# KiCad board panelized.kicad_pcb
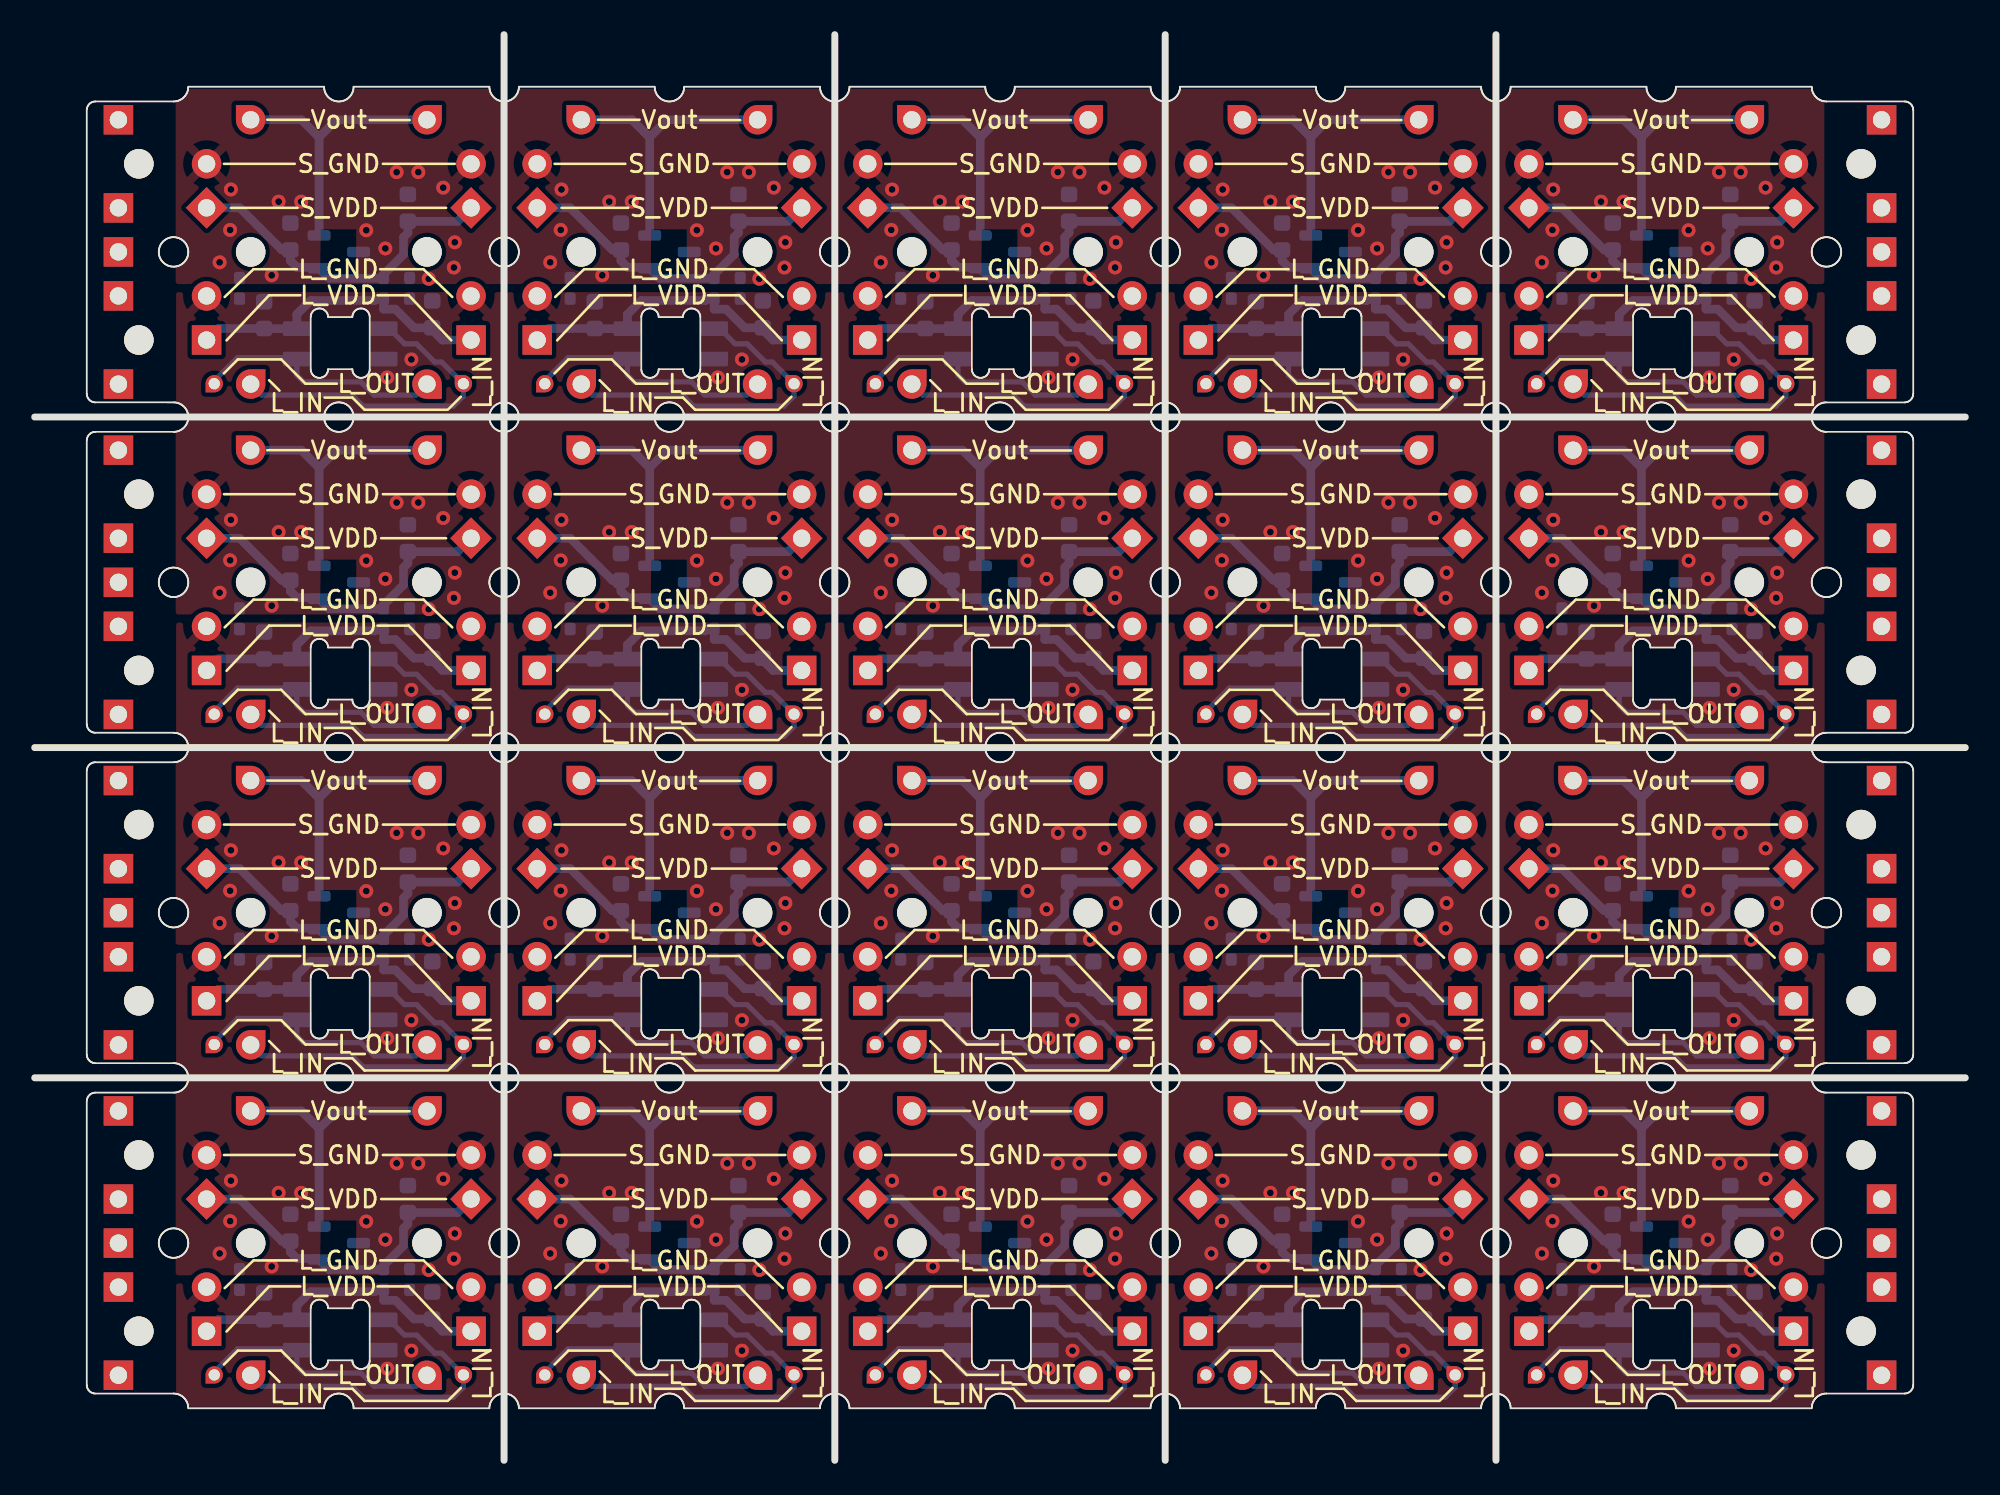
[diagram p0: board, top side]
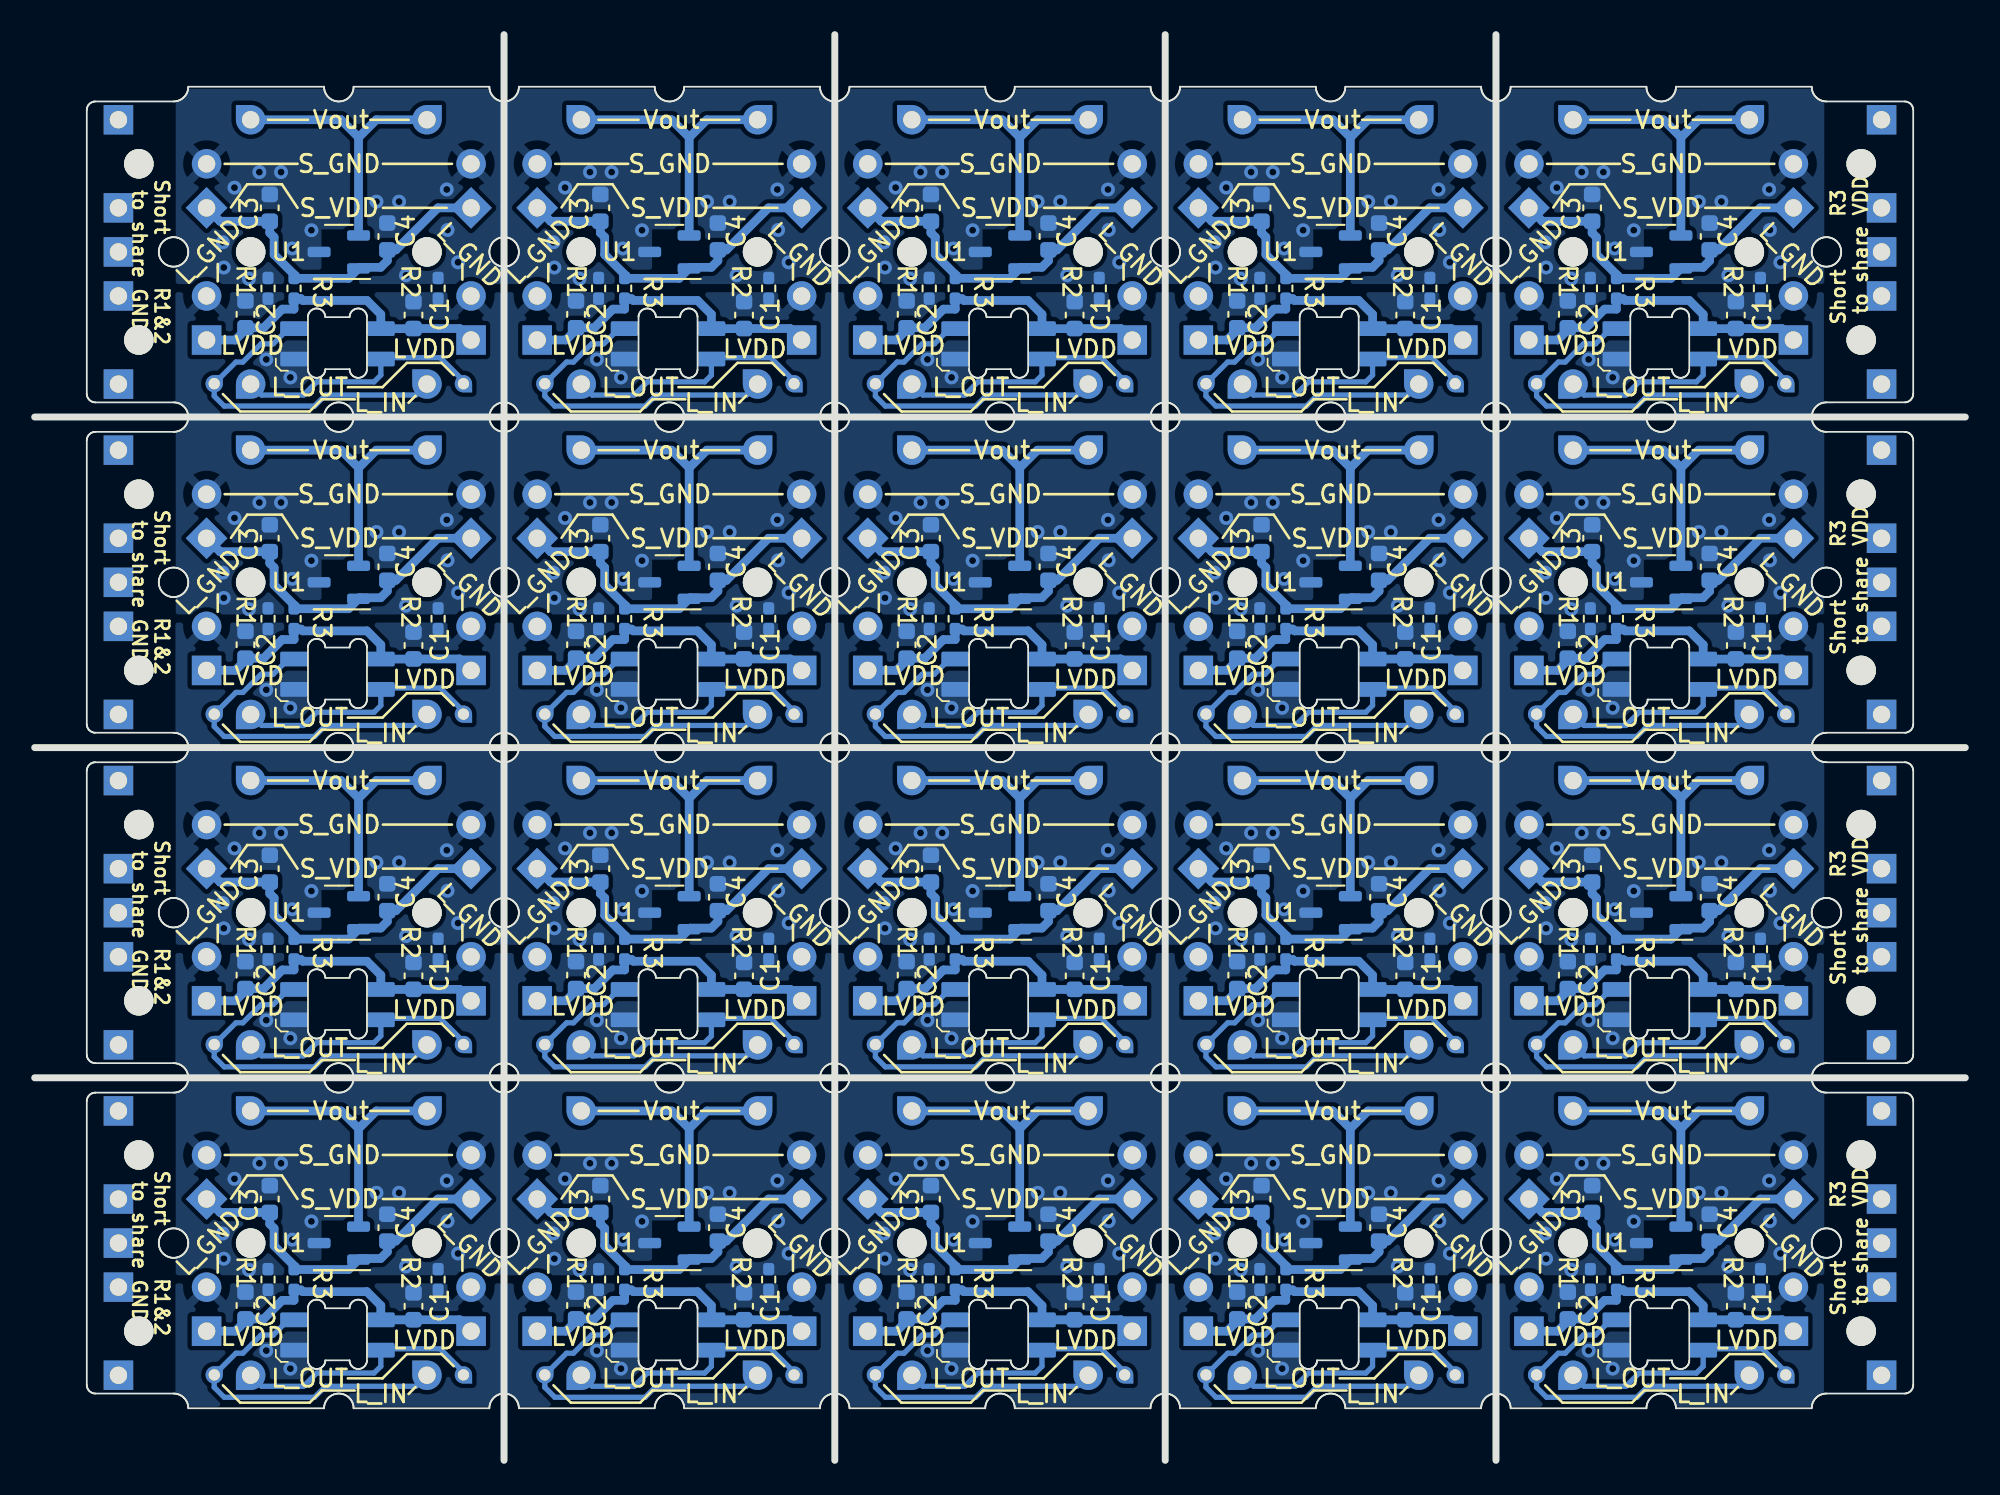
[diagram p1: board, bottom side, seen from below]

Outline 111.25 x 82.2 mm; copper layers: Top, Bottom. Coordinates in mm from the lower left corner of the outline.
Stack: Top 0.035mm / dielectric 1.51mm FR4 er 4.5 / Bottom 0.035mm

## Placement (name value [footprint] x y rotation side)
C1  100n  [C_0603_1608Metric]  51.32 27.93 270 bottom
C1#2  100n  [C_0603_1608Metric]  89.42 8.88 270 bottom
C1#3  100n  [C_0603_1608Metric]  70.37 66.03 270 bottom
C1#4  100n  [C_0603_1608Metric]  13.22 8.88 270 bottom
C1#5  100n  [C_0603_1608Metric]  70.37 8.88 270 bottom
C1#6  100n  [C_0603_1608Metric]  13.22 46.98 270 bottom
C1#7  100n  [C_0603_1608Metric]  51.32 66.03 270 bottom
C1#8  100n  [C_0603_1608Metric]  13.22 66.03 270 bottom
C1#9  100n  [C_0603_1608Metric]  32.27 66.03 270 bottom
C1#10  100n  [C_0603_1608Metric]  70.37 46.98 270 bottom
C1#11  100n  [C_0603_1608Metric]  70.37 27.93 270 bottom
C1#12  100n  [C_0603_1608Metric]  32.27 46.98 270 bottom
C1#13  100n  [C_0603_1608Metric]  32.27 27.93 270 bottom
C1#14  100n  [C_0603_1608Metric]  89.42 66.03 270 bottom
C1#15  100n  [C_0603_1608Metric]  13.22 27.93 270 bottom
C1#16  100n  [C_0603_1608Metric]  89.42 27.93 270 bottom
C1#17  100n  [C_0603_1608Metric]  51.32 46.98 270 bottom
C1#18  100n  [C_0603_1608Metric]  32.27 8.88 270 bottom
C1#19  100n  [C_0603_1608Metric]  51.32 8.88 270 bottom
C1#20  100n  [C_0603_1608Metric]  89.42 46.98 270 bottom
C2  10u  [C_0603_1608Metric]  41.96 27.98 270 bottom
C2#2  10u  [C_0603_1608Metric]  80.06 66.08 270 bottom
C2#3  10u  [C_0603_1608Metric]  80.06 47.03 270 bottom
C2#4  10u  [C_0603_1608Metric]  99.1 47.03 270 bottom
C2#5  10u  [C_0603_1608Metric]  41.96 66.08 270 bottom
C2#6  10u  [C_0603_1608Metric]  61 47.03 270 bottom
C2#7  10u  [C_0603_1608Metric]  99.1 66.08 270 bottom
C2#8  10u  [C_0603_1608Metric]  99.1 27.98 270 bottom
C2#9  10u  [C_0603_1608Metric]  61 66.08 270 bottom
C2#10  10u  [C_0603_1608Metric]  80.06 8.92 270 bottom
C2#11  10u  [C_0603_1608Metric]  41.96 47.03 270 bottom
C2#12  10u  [C_0603_1608Metric]  61 8.92 270 bottom
C2#13  10u  [C_0603_1608Metric]  61 27.98 270 bottom
C2#14  10u  [C_0603_1608Metric]  22.91 47.03 270 bottom
C2#15  10u  [C_0603_1608Metric]  22.91 66.08 270 bottom
C2#16  10u  [C_0603_1608Metric]  99.1 8.92 270 bottom
C2#17  10u  [C_0603_1608Metric]  22.91 8.92 270 bottom
C2#18  10u  [C_0603_1608Metric]  41.96 8.92 270 bottom
C2#19  10u  [C_0603_1608Metric]  80.06 27.98 270 bottom
C2#20  10u  [C_0603_1608Metric]  22.91 27.98 270 bottom
C3  10u  [C_0603_1608Metric]  97.71 53.17 270 bottom
C3#2  10u  [C_0603_1608Metric]  97.71 34.12 270 bottom
C3#3  10u  [C_0603_1608Metric]  78.66 15.06 270 bottom
C3#4  10u  [C_0603_1608Metric]  40.56 15.06 270 bottom
C3#5  10u  [C_0603_1608Metric]  78.66 34.12 270 bottom
C3#6  10u  [C_0603_1608Metric]  21.5 34.12 270 bottom
C3#7  10u  [C_0603_1608Metric]  21.5 15.06 270 bottom
C3#8  10u  [C_0603_1608Metric]  40.56 53.17 270 bottom
C3#9  10u  [C_0603_1608Metric]  40.56 34.12 270 bottom
C3#10  10u  [C_0603_1608Metric]  59.6 72.22 270 bottom
C3#11  10u  [C_0603_1608Metric]  59.6 34.12 270 bottom
C3#12  10u  [C_0603_1608Metric]  21.5 53.17 270 bottom
C3#13  10u  [C_0603_1608Metric]  59.6 53.17 270 bottom
C3#14  10u  [C_0603_1608Metric]  21.5 72.22 270 bottom
C3#15  10u  [C_0603_1608Metric]  97.71 15.06 270 bottom
C3#16  10u  [C_0603_1608Metric]  97.71 72.22 270 bottom
C3#17  10u  [C_0603_1608Metric]  59.6 15.06 270 bottom
C3#18  10u  [C_0603_1608Metric]  78.66 53.17 270 bottom
C3#19  10u  [C_0603_1608Metric]  40.56 72.22 270 bottom
C3#20  10u  [C_0603_1608Metric]  78.66 72.22 270 bottom
C4  100n  [C_0603_1608Metric]  33.78 70.56 270 bottom
C4#2  100n  [C_0603_1608Metric]  90.93 51.51 270 bottom
C4#3  100n  [C_0603_1608Metric]  52.83 32.46 270 bottom
C4#4  100n  [C_0603_1608Metric]  71.88 51.51 270 bottom
C4#5  100n  [C_0603_1608Metric]  90.93 13.41 270 bottom
C4#6  100n  [C_0603_1608Metric]  52.83 70.56 270 bottom
C4#7  100n  [C_0603_1608Metric]  14.73 51.51 270 bottom
C4#8  100n  [C_0603_1608Metric]  71.88 70.56 270 bottom
C4#9  100n  [C_0603_1608Metric]  33.78 32.46 270 bottom
C4#10  100n  [C_0603_1608Metric]  71.88 32.46 270 bottom
C4#11  100n  [C_0603_1608Metric]  52.83 13.41 270 bottom
C4#12  100n  [C_0603_1608Metric]  14.73 32.46 270 bottom
C4#13  100n  [C_0603_1608Metric]  90.93 70.56 270 bottom
C4#14  100n  [C_0603_1608Metric]  14.73 70.56 270 bottom
C4#15  100n  [C_0603_1608Metric]  52.83 51.51 270 bottom
C4#16  100n  [C_0603_1608Metric]  14.73 13.41 270 bottom
C4#17  100n  [C_0603_1608Metric]  90.93 32.46 270 bottom
C4#18  100n  [C_0603_1608Metric]  33.78 51.51 270 bottom
C4#19  100n  [C_0603_1608Metric]  71.88 13.41 270 bottom
C4#20  100n  [C_0603_1608Metric]  33.78 13.41 270 bottom
D1  SK6812MINI-E  [SK6812_mini_e_flipable]  17.61 26.28 0 bottom
D1#2  SK6812MINI-E  [SK6812_mini_e_flipable]  93.81 45.33 0 bottom
D1#3  SK6812MINI-E  [SK6812_mini_e_flipable]  93.81 64.38 0 bottom
D1#4  SK6812MINI-E  [SK6812_mini_e_flipable]  55.71 26.28 0 bottom
D1#5  SK6812MINI-E  [SK6812_mini_e_flipable]  36.66 64.38 0 bottom
D1#6  SK6812MINI-E  [SK6812_mini_e_flipable]  55.71 64.38 0 bottom
D1#7  SK6812MINI-E  [SK6812_mini_e_flipable]  74.75 26.28 0 bottom
D1#8  SK6812MINI-E  [SK6812_mini_e_flipable]  17.61 7.23 0 bottom
D1#9  SK6812MINI-E  [SK6812_mini_e_flipable]  17.61 45.33 0 bottom
D1#10  SK6812MINI-E  [SK6812_mini_e_flipable]  93.81 7.23 0 bottom
D1#11  SK6812MINI-E  [SK6812_mini_e_flipable]  36.66 7.23 0 bottom
D1#12  SK6812MINI-E  [SK6812_mini_e_flipable]  17.61 64.38 0 bottom
D1#13  SK6812MINI-E  [SK6812_mini_e_flipable]  93.81 26.28 0 bottom
D1#14  SK6812MINI-E  [SK6812_mini_e_flipable]  74.75 7.23 0 bottom
D1#15  SK6812MINI-E  [SK6812_mini_e_flipable]  36.66 26.28 0 bottom
D1#16  SK6812MINI-E  [SK6812_mini_e_flipable]  74.75 64.38 0 bottom
D1#17  SK6812MINI-E  [SK6812_mini_e_flipable]  55.71 7.23 0 bottom
D1#18  SK6812MINI-E  [SK6812_mini_e_flipable]  55.71 45.33 0 bottom
D1#19  SK6812MINI-E  [SK6812_mini_e_flipable]  36.66 45.33 0 bottom
D1#20  SK6812MINI-E  [SK6812_mini_e_flipable]  74.75 45.33 0 bottom
H1  -  [NPTH]  6 17.61 0 top
H1#2  -  [NPTH]  6 36.66 0 top
H1#3  -  [NPTH]  6 55.71 0 top
H1#4  -  [NPTH]  6 74.75 0 top
H2  -  [NPTH]  6 7.45 0 top
H2#2  -  [NPTH]  6 64.59 0 top
H2#3  -  [NPTH]  6 26.5 0 top
H2#4  -  [NPTH]  6 45.55 0 top
H3  -  [NPTH]  105.25 17.61 0 top
H3#2  -  [NPTH]  105.25 74.75 0 top
H3#3  -  [NPTH]  105.25 36.66 0 top
H3#4  -  [NPTH]  105.25 55.71 0 top
H4  -  [NPTH]  105.25 7.45 0 top
H4#2  -  [NPTH]  105.25 64.59 0 top
H4#3  -  [NPTH]  105.25 26.5 0 top
H4#4  -  [NPTH]  105.25 45.55 0 top
J1  Conn_01x01_Pin  [PinHeader_1x01_P2.54mm_Vertical#2]  101.34 7.45 180 bottom
J1#2  Conn_01x01_Pin  [PinHeader_1x01_P2.54mm_Vertical#2]  101.34 26.5 180 bottom
J1#3  Conn_01x01_Pin  [PinHeader_1x01_P2.54mm_Vertical#2]  25.14 26.5 180 bottom
J1#4  Conn_01x01_Pin  [PinHeader_1x01_P2.54mm_Vertical#2]  82.29 45.55 180 bottom
J1#5  Conn_01x01_Pin  [PinHeader_1x01_P2.54mm_Vertical#2]  101.34 64.59 180 bottom
J1#6  Conn_01x01_Pin  [PinHeader_1x01_P2.54mm_Vertical#2]  63.25 26.5 180 bottom
J1#7  Conn_01x01_Pin  [PinHeader_1x01_P2.54mm_Vertical#2]  44.19 7.45 180 bottom
J1#8  Conn_01x01_Pin  [PinHeader_1x01_P2.54mm_Vertical#2]  63.25 7.45 180 bottom
J1#9  Conn_01x01_Pin  [PinHeader_1x01_P2.54mm_Vertical#2]  44.19 26.5 180 bottom
J1#10  Conn_01x01_Pin  [PinHeader_1x01_P2.54mm_Vertical#2]  82.29 26.5 180 bottom
J1#11  Conn_01x01_Pin  [PinHeader_1x01_P2.54mm_Vertical#2]  25.14 64.59 180 bottom
J1#12  Conn_01x01_Pin  [PinHeader_1x01_P2.54mm_Vertical#2]  82.29 64.59 180 bottom
J1#13  Conn_01x01_Pin  [PinHeader_1x01_P2.54mm_Vertical#2]  101.34 45.55 180 bottom
J1#14  Conn_01x01_Pin  [PinHeader_1x01_P2.54mm_Vertical#2]  44.19 45.55 180 bottom
J1#15  Conn_01x01_Pin  [PinHeader_1x01_P2.54mm_Vertical#2]  63.25 45.55 180 bottom
J1#16  Conn_01x01_Pin  [PinHeader_1x01_P2.54mm_Vertical#2]  44.19 64.59 180 bottom
J1#17  Conn_01x01_Pin  [PinHeader_1x01_P2.54mm_Vertical#2]  25.14 45.55 180 bottom
J1#18  Conn_01x01_Pin  [PinHeader_1x01_P2.54mm_Vertical#2]  63.25 64.59 180 bottom
J1#19  Conn_01x01_Pin  [PinHeader_1x01_P2.54mm_Vertical#2]  82.29 7.45 180 bottom
J1#20  Conn_01x01_Pin  [PinHeader_1x01_P2.54mm_Vertical#2]  25.14 7.45 180 bottom
J2  Conn_01x01_Pin  [PinHeader_1x01_P2.54mm_Vertical#2]  86.1 26.5 180 bottom
J2#2  Conn_01x01_Pin  [PinHeader_1x01_P2.54mm_Vertical#2]  67.06 45.55 180 bottom
J2#3  Conn_01x01_Pin  [PinHeader_1x01_P2.54mm_Vertical#2]  48 64.59 180 bottom
J2#4  Conn_01x01_Pin  [PinHeader_1x01_P2.54mm_Vertical#2]  67.06 7.45 180 bottom
J2#5  Conn_01x01_Pin  [PinHeader_1x01_P2.54mm_Vertical#2]  48 26.5 180 bottom
J2#6  Conn_01x01_Pin  [PinHeader_1x01_P2.54mm_Vertical#2]  48 7.45 180 bottom
J2#7  Conn_01x01_Pin  [PinHeader_1x01_P2.54mm_Vertical#2]  9.91 26.5 180 bottom
J2#8  Conn_01x01_Pin  [PinHeader_1x01_P2.54mm_Vertical#2]  9.91 64.59 180 bottom
J2#9  Conn_01x01_Pin  [PinHeader_1x01_P2.54mm_Vertical#2]  86.1 7.45 180 bottom
J2#10  Conn_01x01_Pin  [PinHeader_1x01_P2.54mm_Vertical#2]  28.95 45.55 180 bottom
J2#11  Conn_01x01_Pin  [PinHeader_1x01_P2.54mm_Vertical#2]  48 45.55 180 bottom
J2#12  Conn_01x01_Pin  [PinHeader_1x01_P2.54mm_Vertical#2]  67.06 26.5 180 bottom
J2#13  Conn_01x01_Pin  [PinHeader_1x01_P2.54mm_Vertical#2]  28.95 26.5 180 bottom
J2#14  Conn_01x01_Pin  [PinHeader_1x01_P2.54mm_Vertical#2]  28.95 64.59 180 bottom
J2#15  Conn_01x01_Pin  [PinHeader_1x01_P2.54mm_Vertical#2]  67.06 64.59 180 bottom
J2#16  Conn_01x01_Pin  [PinHeader_1x01_P2.54mm_Vertical#2]  9.91 45.55 180 bottom
J2#17  Conn_01x01_Pin  [PinHeader_1x01_P2.54mm_Vertical#2]  86.1 64.59 180 bottom
J2#18  Conn_01x01_Pin  [PinHeader_1x01_P2.54mm_Vertical#2]  9.91 7.45 180 bottom
J2#19  Conn_01x01_Pin  [PinHeader_1x01_P2.54mm_Vertical#2]  28.95 7.45 180 bottom
J2#20  Conn_01x01_Pin  [PinHeader_1x01_P2.54mm_Vertical#2]  86.1 45.55 180 bottom
J3  Conn_01x01_Pin  [PinHeader_1x01_P2.54mm_Vertical#3]  28.95 36.66 180 bottom
J3#2  Conn_01x01_Pin  [PinHeader_1x01_P2.54mm_Vertical#3]  67.06 17.61 180 bottom
J3#3  Conn_01x01_Pin  [PinHeader_1x01_P2.54mm_Vertical#3]  28.95 17.61 180 bottom
J3#4  Conn_01x01_Pin  [PinHeader_1x01_P2.54mm_Vertical#3]  9.91 36.66 180 bottom
J3#5  Conn_01x01_Pin  [PinHeader_1x01_P2.54mm_Vertical#3]  48 74.75 180 bottom
J3#6  Conn_01x01_Pin  [PinHeader_1x01_P2.54mm_Vertical#3]  28.95 74.75 180 bottom
J3#7  Conn_01x01_Pin  [PinHeader_1x01_P2.54mm_Vertical#3]  48 36.66 180 bottom
J3#8  Conn_01x01_Pin  [PinHeader_1x01_P2.54mm_Vertical#3]  9.91 74.75 180 bottom
J3#9  Conn_01x01_Pin  [PinHeader_1x01_P2.54mm_Vertical#3]  28.95 55.71 180 bottom
J3#10  Conn_01x01_Pin  [PinHeader_1x01_P2.54mm_Vertical#3]  86.1 17.61 180 bottom
J3#11  Conn_01x01_Pin  [PinHeader_1x01_P2.54mm_Vertical#3]  86.1 55.71 180 bottom
J3#12  Conn_01x01_Pin  [PinHeader_1x01_P2.54mm_Vertical#3]  86.1 36.66 180 bottom
J3#13  Conn_01x01_Pin  [PinHeader_1x01_P2.54mm_Vertical#3]  48 17.61 180 bottom
J3#14  Conn_01x01_Pin  [PinHeader_1x01_P2.54mm_Vertical#3]  86.1 74.75 180 bottom
J3#15  Conn_01x01_Pin  [PinHeader_1x01_P2.54mm_Vertical#3]  67.06 55.71 180 bottom
J3#16  Conn_01x01_Pin  [PinHeader_1x01_P2.54mm_Vertical#3]  9.91 55.71 180 bottom
J3#17  Conn_01x01_Pin  [PinHeader_1x01_P2.54mm_Vertical#3]  67.06 36.66 180 bottom
J3#18  Conn_01x01_Pin  [PinHeader_1x01_P2.54mm_Vertical#3]  67.06 74.75 180 bottom
J3#19  Conn_01x01_Pin  [PinHeader_1x01_P2.54mm_Vertical#3]  9.91 17.61 180 bottom
J3#20  Conn_01x01_Pin  [PinHeader_1x01_P2.54mm_Vertical#3]  48 55.71 180 bottom
J4  Conn_01x01_Pin  [PinHeader_1x01_P2.54mm_Vertical#3]  44.19 55.71 180 bottom
J4#2  Conn_01x01_Pin  [PinHeader_1x01_P2.54mm_Vertical#3]  25.14 36.66 180 bottom
J4#3  Conn_01x01_Pin  [PinHeader_1x01_P2.54mm_Vertical#3]  44.19 17.61 180 bottom
J4#4  Conn_01x01_Pin  [PinHeader_1x01_P2.54mm_Vertical#3]  44.19 36.66 180 bottom
J4#5  Conn_01x01_Pin  [PinHeader_1x01_P2.54mm_Vertical#3]  63.25 36.66 180 bottom
J4#6  Conn_01x01_Pin  [PinHeader_1x01_P2.54mm_Vertical#3]  101.34 36.66 180 bottom
J4#7  Conn_01x01_Pin  [PinHeader_1x01_P2.54mm_Vertical#3]  25.14 17.61 180 bottom
J4#8  Conn_01x01_Pin  [PinHeader_1x01_P2.54mm_Vertical#3]  82.29 74.75 180 bottom
J4#9  Conn_01x01_Pin  [PinHeader_1x01_P2.54mm_Vertical#3]  101.34 55.71 180 bottom
J4#10  Conn_01x01_Pin  [PinHeader_1x01_P2.54mm_Vertical#3]  44.19 74.75 180 bottom
J4#11  Conn_01x01_Pin  [PinHeader_1x01_P2.54mm_Vertical#3]  82.29 55.71 180 bottom
J4#12  Conn_01x01_Pin  [PinHeader_1x01_P2.54mm_Vertical#3]  25.14 55.71 180 bottom
J4#13  Conn_01x01_Pin  [PinHeader_1x01_P2.54mm_Vertical#3]  63.25 74.75 180 bottom
J4#14  Conn_01x01_Pin  [PinHeader_1x01_P2.54mm_Vertical#3]  63.25 17.61 180 bottom
J4#15  Conn_01x01_Pin  [PinHeader_1x01_P2.54mm_Vertical#3]  82.29 36.66 180 bottom
J4#16  Conn_01x01_Pin  [PinHeader_1x01_P2.54mm_Vertical#3]  82.29 17.61 180 bottom
J4#17  Conn_01x01_Pin  [PinHeader_1x01_P2.54mm_Vertical#3]  101.34 17.61 180 bottom
J4#18  Conn_01x01_Pin  [PinHeader_1x01_P2.54mm_Vertical#3]  63.25 55.71 180 bottom
J4#19  Conn_01x01_Pin  [PinHeader_1x01_P2.54mm_Vertical#3]  25.14 74.75 180 bottom
J4#20  Conn_01x01_Pin  [PinHeader_1x01_P2.54mm_Vertical#3]  101.34 74.75 180 bottom
J5  Conn_01x01_Pin  [PinHeader_1x01_P2.54mm_Vertical#4]  9.91 72.22 180 bottom
J5#2  Conn_01x01_Pin  [PinHeader_1x01_P2.54mm_Vertical#4]  86.1 53.17 180 bottom
J5#3  Conn_01x01_Pin  [PinHeader_1x01_P2.54mm_Vertical#4]  86.1 15.06 180 bottom
J5#4  Conn_01x01_Pin  [PinHeader_1x01_P2.54mm_Vertical#4]  48 15.06 180 bottom
J5#5  Conn_01x01_Pin  [PinHeader_1x01_P2.54mm_Vertical#4]  48 53.17 180 bottom
J5#6  Conn_01x01_Pin  [PinHeader_1x01_P2.54mm_Vertical#4]  9.91 34.12 180 bottom
J5#7  Conn_01x01_Pin  [PinHeader_1x01_P2.54mm_Vertical#4]  86.1 72.22 180 bottom
J5#8  Conn_01x01_Pin  [PinHeader_1x01_P2.54mm_Vertical#4]  9.91 53.17 180 bottom
J5#9  Conn_01x01_Pin  [PinHeader_1x01_P2.54mm_Vertical#4]  48 72.22 180 bottom
J5#10  Conn_01x01_Pin  [PinHeader_1x01_P2.54mm_Vertical#4]  9.91 15.06 180 bottom
J5#11  Conn_01x01_Pin  [PinHeader_1x01_P2.54mm_Vertical#4]  28.95 15.06 180 bottom
J5#12  Conn_01x01_Pin  [PinHeader_1x01_P2.54mm_Vertical#4]  67.06 15.06 180 bottom
J5#13  Conn_01x01_Pin  [PinHeader_1x01_P2.54mm_Vertical#4]  28.95 34.12 180 bottom
J5#14  Conn_01x01_Pin  [PinHeader_1x01_P2.54mm_Vertical#4]  48 34.12 180 bottom
J5#15  Conn_01x01_Pin  [PinHeader_1x01_P2.54mm_Vertical#4]  28.95 53.17 180 bottom
J5#16  Conn_01x01_Pin  [PinHeader_1x01_P2.54mm_Vertical#4]  67.06 72.22 180 bottom
J5#17  Conn_01x01_Pin  [PinHeader_1x01_P2.54mm_Vertical#4]  67.06 34.12 180 bottom
J5#18  Conn_01x01_Pin  [PinHeader_1x01_P2.54mm_Vertical#4]  67.06 53.17 180 bottom
J5#19  Conn_01x01_Pin  [PinHeader_1x01_P2.54mm_Vertical#4]  86.1 34.12 180 bottom
J5#20  Conn_01x01_Pin  [PinHeader_1x01_P2.54mm_Vertical#4]  28.95 72.22 180 bottom
J6  Conn_01x01_Pin  [PinHeader_1x01_P2.54mm_Vertical#4]  63.25 53.17 180 bottom
J6#2  Conn_01x01_Pin  [PinHeader_1x01_P2.54mm_Vertical#4]  25.14 53.17 180 bottom
J6#3  Conn_01x01_Pin  [PinHeader_1x01_P2.54mm_Vertical#4]  25.14 15.06 180 bottom
J6#4  Conn_01x01_Pin  [PinHeader_1x01_P2.54mm_Vertical#4]  63.25 34.12 180 bottom
J6#5  Conn_01x01_Pin  [PinHeader_1x01_P2.54mm_Vertical#4]  44.19 53.17 180 bottom
J6#6  Conn_01x01_Pin  [PinHeader_1x01_P2.54mm_Vertical#4]  82.29 72.22 180 bottom
J6#7  Conn_01x01_Pin  [PinHeader_1x01_P2.54mm_Vertical#4]  82.29 53.17 180 bottom
J6#8  Conn_01x01_Pin  [PinHeader_1x01_P2.54mm_Vertical#4]  63.25 72.22 180 bottom
J6#9  Conn_01x01_Pin  [PinHeader_1x01_P2.54mm_Vertical#4]  101.34 53.17 180 bottom
J6#10  Conn_01x01_Pin  [PinHeader_1x01_P2.54mm_Vertical#4]  44.19 72.22 180 bottom
J6#11  Conn_01x01_Pin  [PinHeader_1x01_P2.54mm_Vertical#4]  44.19 15.06 180 bottom
J6#12  Conn_01x01_Pin  [PinHeader_1x01_P2.54mm_Vertical#4]  82.29 34.12 180 bottom
J6#13  Conn_01x01_Pin  [PinHeader_1x01_P2.54mm_Vertical#4]  101.34 34.12 180 bottom
J6#14  Conn_01x01_Pin  [PinHeader_1x01_P2.54mm_Vertical#4]  101.34 72.22 180 bottom
J6#15  Conn_01x01_Pin  [PinHeader_1x01_P2.54mm_Vertical#4]  25.14 34.12 180 bottom
J6#16  Conn_01x01_Pin  [PinHeader_1x01_P2.54mm_Vertical#4]  44.19 34.12 180 bottom
J6#17  Conn_01x01_Pin  [PinHeader_1x01_P2.54mm_Vertical#4]  101.34 15.06 180 bottom
J6#18  Conn_01x01_Pin  [PinHeader_1x01_P2.54mm_Vertical#4]  25.14 72.22 180 bottom
J6#19  Conn_01x01_Pin  [PinHeader_1x01_P2.54mm_Vertical#4]  63.25 15.06 180 bottom
J6#20  Conn_01x01_Pin  [PinHeader_1x01_P2.54mm_Vertical#4]  82.29 15.06 180 bottom
J7  Conn_01x01_Pin  [PinHeader_1x01_P2.54mm_Vertical#3]  44.19 48.09 180 bottom
J7#2  Conn_01x01_Pin  [PinHeader_1x01_P2.54mm_Vertical#3]  25.14 29.03 180 bottom
J7#3  Conn_01x01_Pin  [PinHeader_1x01_P2.54mm_Vertical#3]  82.29 29.03 180 bottom
J7#4  Conn_01x01_Pin  [PinHeader_1x01_P2.54mm_Vertical#3]  63.25 29.03 180 bottom
J7#5  Conn_01x01_Pin  [PinHeader_1x01_P2.54mm_Vertical#3]  63.25 67.14 180 bottom
J7#6  Conn_01x01_Pin  [PinHeader_1x01_P2.54mm_Vertical#3]  44.19 67.14 180 bottom
J7#7  Conn_01x01_Pin  [PinHeader_1x01_P2.54mm_Vertical#3]  63.25 9.98 180 bottom
J7#8  Conn_01x01_Pin  [PinHeader_1x01_P2.54mm_Vertical#3]  101.34 9.98 180 bottom
J7#9  Conn_01x01_Pin  [PinHeader_1x01_P2.54mm_Vertical#3]  82.29 9.98 180 bottom
J7#10  Conn_01x01_Pin  [PinHeader_1x01_P2.54mm_Vertical#3]  44.19 29.03 180 bottom
J7#11  Conn_01x01_Pin  [PinHeader_1x01_P2.54mm_Vertical#3]  25.14 48.09 180 bottom
J7#12  Conn_01x01_Pin  [PinHeader_1x01_P2.54mm_Vertical#3]  82.29 48.09 180 bottom
J7#13  Conn_01x01_Pin  [PinHeader_1x01_P2.54mm_Vertical#3]  25.14 9.98 180 bottom
J7#14  Conn_01x01_Pin  [PinHeader_1x01_P2.54mm_Vertical#3]  101.34 48.09 180 bottom
J7#15  Conn_01x01_Pin  [PinHeader_1x01_P2.54mm_Vertical#3]  63.25 48.09 180 bottom
J7#16  Conn_01x01_Pin  [PinHeader_1x01_P2.54mm_Vertical#3]  82.29 67.14 180 bottom
J7#17  Conn_01x01_Pin  [PinHeader_1x01_P2.54mm_Vertical#3]  44.19 9.98 180 bottom
J7#18  Conn_01x01_Pin  [PinHeader_1x01_P2.54mm_Vertical#3]  25.14 67.14 180 bottom
J7#19  Conn_01x01_Pin  [PinHeader_1x01_P2.54mm_Vertical#3]  101.34 29.03 180 bottom
J7#20  Conn_01x01_Pin  [PinHeader_1x01_P2.54mm_Vertical#3]  101.34 67.14 180 bottom
J8  Conn_01x01_Pin  [PinHeader_1x01_P2.54mm_Vertical#3]  28.95 48.09 180 bottom
J8#2  Conn_01x01_Pin  [PinHeader_1x01_P2.54mm_Vertical#3]  86.1 9.98 180 bottom
J8#3  Conn_01x01_Pin  [PinHeader_1x01_P2.54mm_Vertical#3]  9.91 48.09 180 bottom
J8#4  Conn_01x01_Pin  [PinHeader_1x01_P2.54mm_Vertical#3]  67.06 29.03 180 bottom
J8#5  Conn_01x01_Pin  [PinHeader_1x01_P2.54mm_Vertical#3]  86.1 29.03 180 bottom
J8#6  Conn_01x01_Pin  [PinHeader_1x01_P2.54mm_Vertical#3]  9.91 67.14 180 bottom
J8#7  Conn_01x01_Pin  [PinHeader_1x01_P2.54mm_Vertical#3]  48 48.09 180 bottom
J8#8  Conn_01x01_Pin  [PinHeader_1x01_P2.54mm_Vertical#3]  67.06 67.14 180 bottom
J8#9  Conn_01x01_Pin  [PinHeader_1x01_P2.54mm_Vertical#3]  86.1 48.09 180 bottom
J8#10  Conn_01x01_Pin  [PinHeader_1x01_P2.54mm_Vertical#3]  28.95 67.14 180 bottom
J8#11  Conn_01x01_Pin  [PinHeader_1x01_P2.54mm_Vertical#3]  9.91 29.03 180 bottom
J8#12  Conn_01x01_Pin  [PinHeader_1x01_P2.54mm_Vertical#3]  48 29.03 180 bottom
J8#13  Conn_01x01_Pin  [PinHeader_1x01_P2.54mm_Vertical#3]  9.91 9.98 180 bottom
J8#14  Conn_01x01_Pin  [PinHeader_1x01_P2.54mm_Vertical#3]  67.06 48.09 180 bottom
J8#15  Conn_01x01_Pin  [PinHeader_1x01_P2.54mm_Vertical#3]  48 67.14 180 bottom
J8#16  Conn_01x01_Pin  [PinHeader_1x01_P2.54mm_Vertical#3]  86.1 67.14 180 bottom
J8#17  Conn_01x01_Pin  [PinHeader_1x01_P2.54mm_Vertical#3]  28.95 29.03 180 bottom
J8#18  Conn_01x01_Pin  [PinHeader_1x01_P2.54mm_Vertical#3]  28.95 9.98 180 bottom
J8#19  Conn_01x01_Pin  [PinHeader_1x01_P2.54mm_Vertical#3]  67.06 9.98 180 bottom
J8#20  Conn_01x01_Pin  [PinHeader_1x01_P2.54mm_Vertical#3]  48 9.98 180 bottom
J9  Conn_01x01_Pin  [PinHeader_1x01_P2.54mm_Vertical]  79.75 77.3 90 bottom